# Altium PCB C210.PcbDoc (part 2 of 8) (continued)
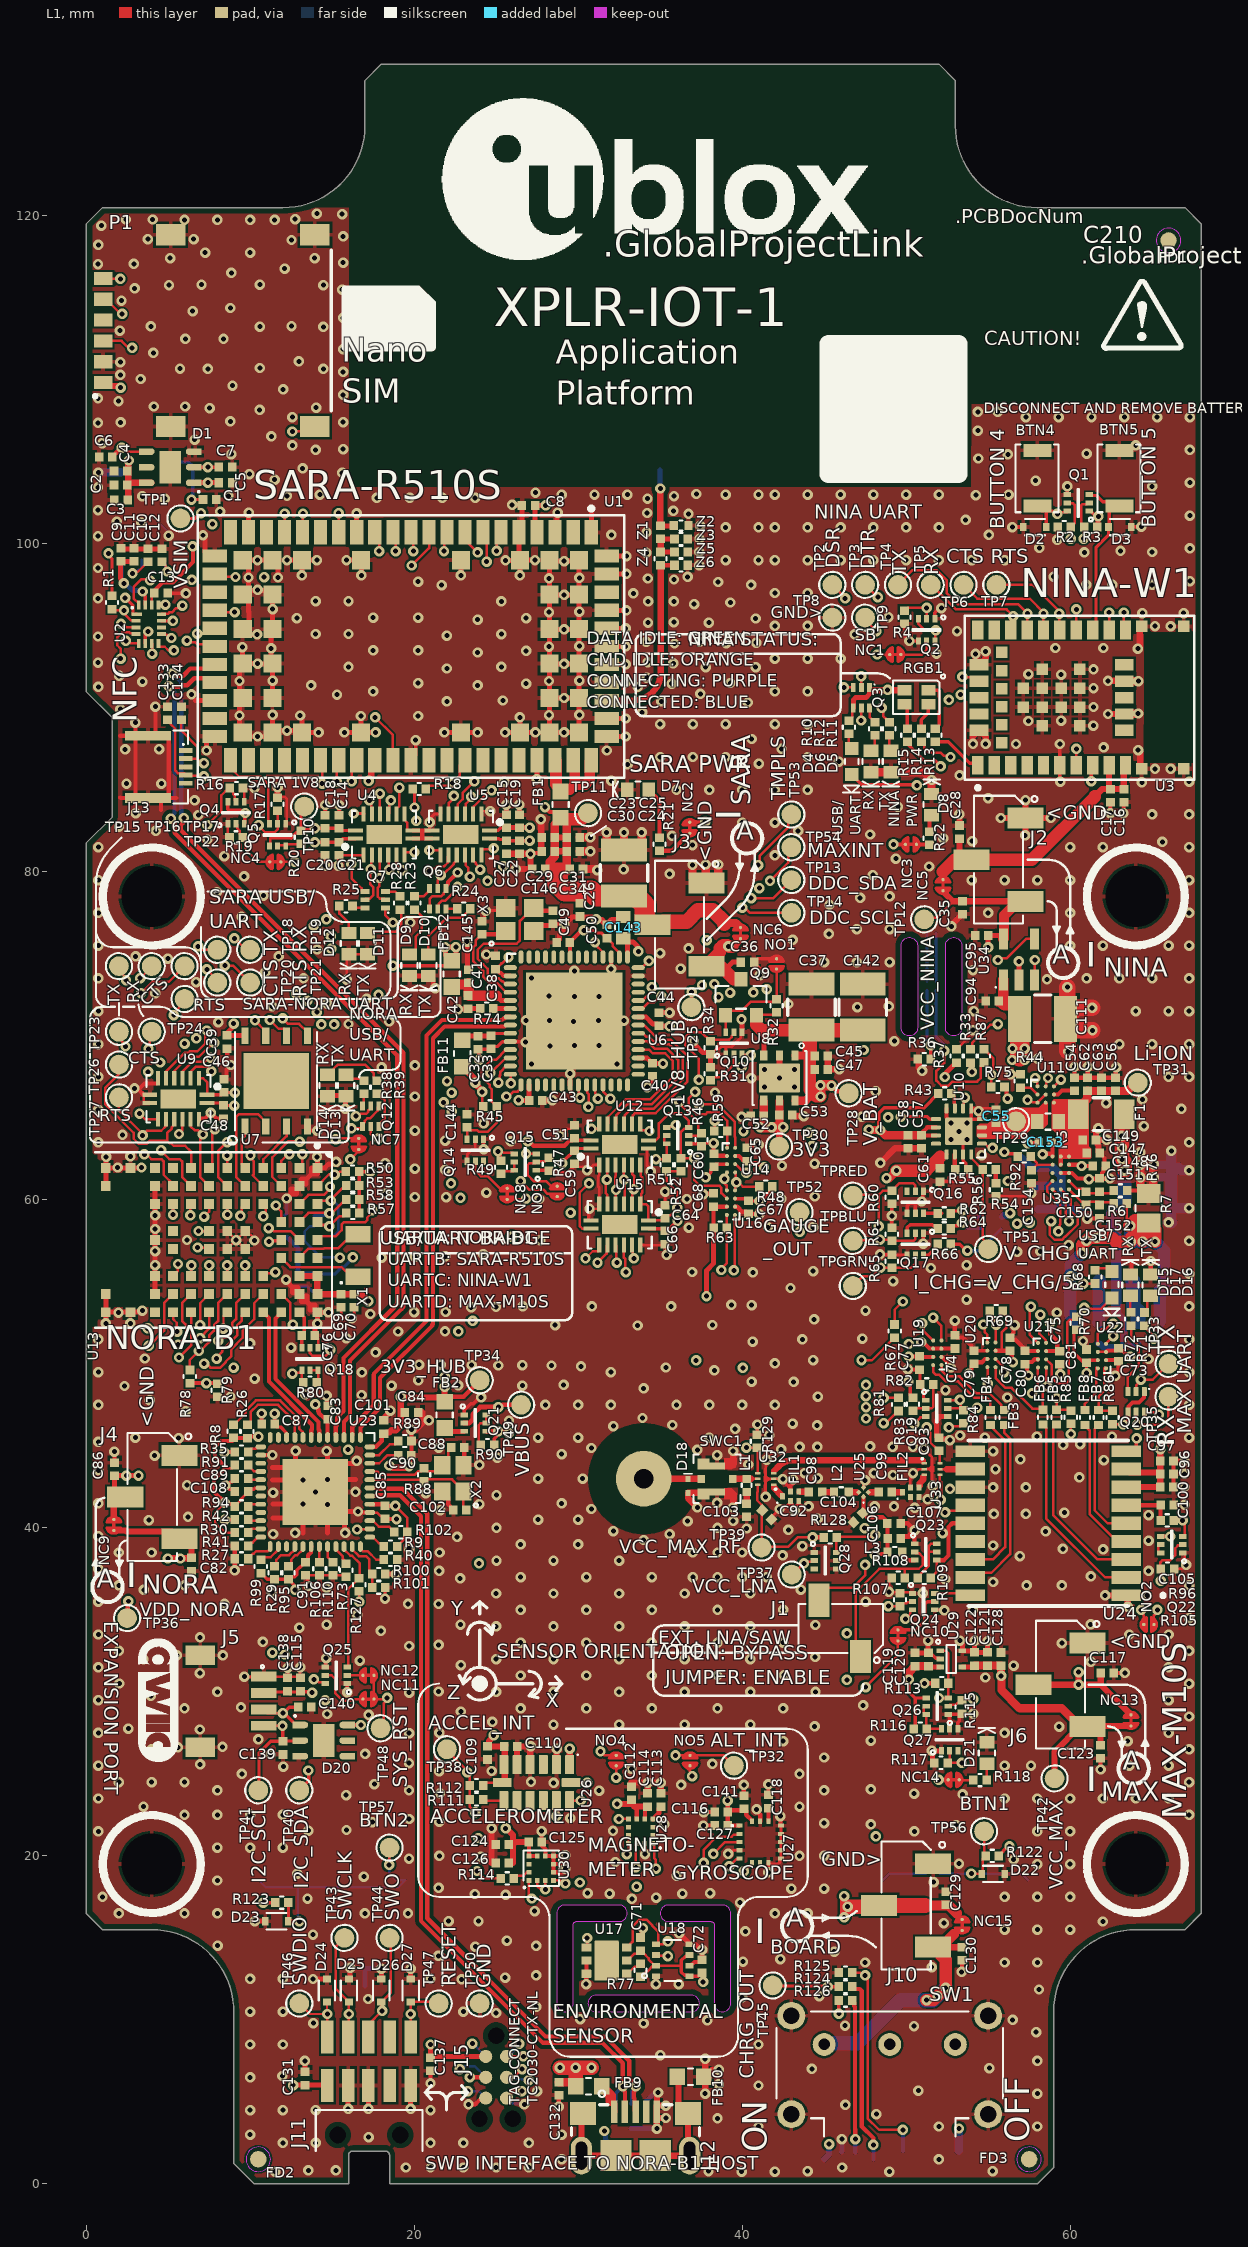
[diagram p0: L1 view]
## Part data (continued)
J4: "Header, 0.100\" Pitch, 3 Pin, Vertical SMT, Black", Manufacturer 1="Harwin Inc", Manufacturer 2="Greenconn Corporation", Manufacturer 3="Amphenol ICC (FCI)", Manufacturer Part Number 1=M20-8770342, Manufacturer Part Number 2=GPHC1010302A081B1BD, Manufacturer Part Number 3=10129380-903001BLF, Max Operating Temp=None, Part Name="CON HDR 0.1\" 3 Pin 1 Row SMT", Supplier Part Number 1=952-1951-ND, Diameter=None, Height=9.93mm, Item Phase="In Production", Min Operating Temp=None, Part Number=130-00105, Pins=3, Revision=0C, Supplier 1=Digi-Key, Supplier 2="Teamwise Limited", Supplier Part Number 2="Greenconn Corporation GPHC1010302A081B1BD", UBX Code=None, Use in new designs=Yes, Voltage=None
J5: "Conn, Header, SMD, 1mm Pitch, 4 Pin, R/A, White", Manufacturer 1="JST Sales America Inc.", Manufacturer 2=None, Part Name="CONN HEADER SMD R/A 4POS 1MM", Diameter=None, Height=2.9mm, Item Phase="In Production", Manufacturer Part Number 1=SM04B-SRSS-TB(LF)(SN), Manufacturer Part Number 2=None, Max Operating Temp=None, Min Operating Temp=None, Part Number=SM04B-SRSS-TB(LF)(SN), Pins=4, Revision=0A, Supplier 1=None, Supplier 2=None, Supplier Part Number 1=None, Supplier Part Number 2=None, UBX Code=None, Use in new designs=Yes, Voltage=None
J11: "Header 0.05\" 10Pin 2Row SMD, RA, Black", Color=Black, Manufacturer 1=Samtec, Manufacturer 2="Amphenol ICC (FCI)", Manufacturer Part Number 1=FTSH-105-01-F-DH-A-C, Manufacturer Part Number 2=20021122-00010T4LF, Part Name="CON HDR 0.05\" 10Pin 2Row RA SMD Black", Supplier Part Number 1=SAM13925TR-ND, Component Mounting Type=SMT, Connector Type=Header, Height=3.96mm, Item_Phase=Pre-Production, Keyed=Yes, Length=12.75mm, Locking=No, Part Number="FTSH-105-01-F-DH-A-C - JTAG", Part_Type=Connector, Pin Pitch="0.050\"", Pins=10, Revision=1, Rows=2, Supplier 1=Digi-Key, Use in new designs=Yes, Width=6.35
J12: "USB Micro B Receptacle, Right Angle SMT with 2 TH Tabs, 0.65mm", Color=Silver, Manufacturer=FCI, Manufacturer 2="Seeed Technology", Manufacturer P/N=10118193-0001LF, Manufacturer P/N 2="Rigado 130-00008", Part Name="CON USB Micro-B SMT RA 2 Tabs", Supplier Part Number 1=609-4616-1-ND, Arena Link=https://app.bom.com/a/O6PX3ATATCBTBM9U?v=spec.summary, Component Mounting Type=SMT, Connector Type=USB, Height=3.10mm, Item_Phase=Production, Keyed=Yes, Length=5.05mm, Locking=No, Part Number=130-00008, Part_Type=Connector, Pin Pitch=0.65mm, Pins=5, Revision=0B, Rows=1, Supplier 1=Digi-Key, Supplier 2="Seeed Technology", Supplier Part Number 2="Rigado 130-00008", Use in new designs=Yes, Width=7.86mm
J13: library part CON-5Pin_1Row-046284005001846, "CON FFC/FPC 0.50mm 5Pos R/A, 046284005001846", Color=White, Manufacturer 1="KYOCERA AVX", Manufacturer P/N=046284005001846, Part Name="CON FFC/FPC 0.50mm 5Pos R/A", Voltage=50V, Component Mounting Type=SMT, Connector Type=FPC, Height=1.3mm, Item_Phase=Preliminary, Keyed=No, Length=4.05mm, Locking=No, Manufacturer Part Number 1=046284005001846, Part_Type=Connector, Pin Pitch=0.5mm, Pins=5, Rows=1, Use in new designs=Yes, Width=4.4mm
J14: "Conn, SMT, 0.079\" Pitch, 2 Pin, R/A, Black", Manufacturer 2=None, Diameter=None, Height=5.5mm, Item Phase="In Production", Manufacturer Part Number 1=S2B-PH-SM4-TB, Manufacturer Part Number 2=None, Max Operating Temp=None, Min Operating Temp=None, Part Name="Conn, SMT, 0.079\" Pitch, 2 Pin, R/A, Black", Part Number=S2B-PH-SM4-TB, Pins=2, Revision=0A, Supplier 1=None, Supplier 2=None, Supplier Part Number 1=None, Supplier Part Number 2=None, UBX Code=None, Use in new designs=Yes, Voltage=None
J15 J17: library part CON-6Pin_2Row_ALT, "CON PADS FOR CBL PLUG-OF-NAILS 6-PIN NO LEGS", Manufacturer="TAG Connect", Manufacturer P/N=TC2030-IDC-NL, Added By=emoo, Added Date=12/3/2015, DNP=DNP, Height=0, Part Number=TC2030-IDC-NL, Size="3.81mm x 7.62mm"
L1: library part 150-00028, "Inductor, 12nH, 300mA, 0402", Current=300mA, Manufacturer 1="Johanson Technology Inc.", Manufacturer 2=None, Manufacturer Part Number 1=L-07C12NJV6T, Max Operating Temp=125, Min Operating Temp=-55, Part Name="IND 12nH 250mA 0402", Supplier Part Number 1=712-1453-1-ND, Tolerance="+/- 5%", Voltage=N/A, Body Size=None, Height=0.6mm, Isat=None, Item Phase=Unreleased, Manufacturer Part Number 2=None, Part Number=150-00028, Pins=2, Revision=None, Size=0402, Supplier 1=Digi-Key, Supplier 2=None, Supplier Part Number 2=None, UBX Code=None, Use in new designs=Yes
L2 L3 Z2: library part 150-00010, "INDUCTOR 10NH 300MA 0402", Current=None, Manufacturer 1="Murata Electronics North America", Manufacturer Part Number 1=LQG15HS10NJ02D, Max Operating Temp=125, Min Operating Temp=-55, Supplier Part Number 1=490-2623-1-ND, Tolerance="+/- 5%", Body Size=None, Height=0.55mm, Isat=300mA, Item Phase="In Production", Manufacturer 2=None, Manufacturer Part Number 2=None, Part Name="INDUCTOR 10NH 300MA 0402", Part Number=150-00010, Pins=2, Revision=0A, Size=0402, Supplier 1=Digi-Key, Supplier 2=None, Supplier Part Number 2=None, UBX Code=None, Use in new designs=Yes, Voltage=None
NC1 NC2 NC3 NC4 NC5 NC6 NC7 NC8 NC9 NC10 NC11 NC12 NC13 NC14 NC15: library part Solderbridge-Short, "Solderbridge-Short", Added By="Paul B", Added Date=12/2/2015, DNP=DNP, Height=0, Part Number=Solderbridge-Short
NO1 NO2 NO3 NO4 NO5: library part Solderbridge-Open, "Solderbridge-Open", Added By="Paul B", Added Date=12/2/2015, DNP=DNP, Height=0, Part Number=Solderbridge-Open
P1: "NANO SIM SOCKET, SWITCH, SMT, HINGED, 13mmX14mm", Current=1A, Manufacturer 1="Amphenol ICC", Max Operating Temp=85, MFG Package=Custom, Min Operating Temp=-40, Voltage=5V, Body Size="13mm x 14mm", Height=1.4mm, Item Phase="In Production", Manufacturer Part Number 1=G85D1160022HHR, Part Name=G85D1160022HHR, Part Number=G85D1160022HHR, Pins=11, Revision=0A, UBX Code=None, Use in new designs=Yes
Q1 Q2 Q4 Q10 Q13 Q14 Q16 Q17 Q19 Q24 Q25: "MOSFET 2N-CH 20V 0.8A, SOT-563", Current=800mA, Manufacturer 1="Toshiba Semiconductor and Storage", Manufacturer 2=None, Manufacturer Part Number 1=SSM6N56FE,LM, Max Operating Temp=150, MFG Package=SOT-563, Min Operating Temp=-55, Part Name="MOSFET 2N-CH 20V 0.8A SOT-563", Supplier Part Number 1=SSM6N56FELMCT-ND, Voltage=20V, Body Size="1.6mm x 1.2mm", Height=0.6mm, Item Phase="In Production", Manufacturer Part Number 2=None, Part Number=140-00016, Pins=6, Revision=0A, Supplier 1=Digi-Key, Supplier 2=None, Supplier Part Number 2=None, Thermal Pad=No, Transistor Type=N-Channel, UBX Code=None, Use in new designs=Yes
Q3 Q6 Q7 Q12 Q20: "MOSFET DUAL P-CH 20V SOT-563, -350mA", Current=-350mA, Manufacturer 1="ON Semiconductor", Manufacturer 2="Diodes, Inc.", Manufacturer Part Number 2=DMP2004VK-7, Max Operating Temp=150, MFG Package=SOT-563, Min Operating Temp=-55, Part Name="MOSFET DUAL P-CH 20V SOT-563", Supplier Part Number 1=2156-FDY2000PZ-ND, Voltage=20V, Body Size=1.6mmx1.6mm, Height=0.6mm, Item Phase="In Production", Manufacturer Part Number 1=FDY2000PZ, Part Number=FDY2000PZ, Pins=6, Revision=0A, Supplier 1=Digi-Key, Supplier 2=None, Supplier Part Number 2=None, Thermal Pad=No, Transistor Type=Multiple, UBX Code=None, Use in new designs=Yes
Q5 Q15 Q18 Q21 Q22 Q23 Q26 Q27 Q28: "MOSFET N/P-CH 20V SOT-563, 540 mA, −430 mA", Current="540 mA, −430 mA", Manufacturer 1="ON Semiconductor", Manufacturer 2=None, Manufacturer Part Number 1=NTZD3155CT2G, Max Operating Temp=150, MFG Package=SOT-563, Min Operating Temp=-55, Part Name="MOSFET N/P-CH 20V SOT-563", Supplier Part Number 1=NTZD3155CT2GOSCT-ND, Voltage=20V, Body Size=1.6mmx1.6mm, Height=0.6mm, Item Phase="In Production", Manufacturer Part Number 2=None, Part Number=140-00030, Pins=6, Revision=0A, Supplier 1=Digi-Key, Supplier 2=None, Supplier Part Number 2=None, Thermal Pad=No, Transistor Type=Multiple, UBX Code=None, Use in new designs=Yes
Q9: "P-MOSFET, 20V 3.1A, SOT-23", Current=3.1A, Manufacturer 1="Vishay Siliconix", Manufacturer 2=None, Manufacturer Part Number 1=SI2301CDS-T1-GE3, Max Operating Temp=150, MFG Package=SOT23, Min Operating Temp=-55, Part Name=Si2301CDS, Supplier Part Number 1=SI2301CDS-T1-GE3CT-ND, Voltage=20V, Body Size=None, Height=None, Item Phase="In Production", Manufacturer Part Number 2=None, Part Number=140-00008, Pins=3, Revision=0B, Supplier 1=Digi-Key, Supplier 2=None, Supplier Part Number 2=None, Thermal Pad=None, Transistor Type=P-Channel, UBX Code=None, Use in new designs=Yes
R1 R8 R26 R36 R44 R55 R67 R77: library part 180-00024, "Resistor 10k ohm 1% 1/16W, 0402", Manufacturer 1="Samsung Electro-Mechanics America, Inc", Manufacturer 2="Hong Kong Resistors Manufactory", Manufacturer Part Number 1=RC1005F103CS, Manufacturer Part Number 2=RCT0210KFLF, Max Operating Temp=155, Min Operating Temp=-55, Part Name="RES SMD 10K OHM 1% 1/16W 0402", Power=1/16W, Supplier Part Number 1=1276-3431-1-ND, Tolerance="+/- 1%", Voltage=N/A, Height=0.4mm, Item Phase="In Production", Part Number=180-00024, Pins=2, Revision=0E, Size=0402, Supplier 1=Digi-Key, Supplier 2=None, Supplier Part Number 2=None, UBX Code=None, Use in new designs=Yes
R2 R3 R4 R16 R17 R19 R20 R31 R32 R33 R34 R37 R43 R46 R47 R49 R51 R52 R60 R61 R65 R70 R75 R79 R80 R82 R84 R85 R88 R90 R105 R108 R109 R113 R115 R116 R117 R122 R123 R125 R128 R129: library part 180-00054, "Resistor 1M ohm 1%, 1/16W, 0402", Manufacturer 1="Samsung Electro-Mechanics America, Inc", Manufacturer 2="Hong Kong Resistors Manufactory", Manufacturer Part Number 1=RC1005F105CS, Manufacturer Part Number 2=RCT021MFLF, Max Operating Temp=155, Min Operating Temp=-55, Part Name="RES SMD 1M OHM 1% 1/16W 0402", Power=1/16W, Supplier Part Number 1=1276-3433-1-ND, Tolerance="+/- 1%", Voltage=None, Height=0.4mm, Item Phase="In Production", Part Number=180-00054, Pins=2, Revision=0D, Size=0402, Supplier 1=Digi-Key, Supplier 2=None, Supplier Part Number 2=None, UBX Code=None, Use in new designs=Yes
R5 R200 R201 R202 R203: library part 180-00012, "Resistor 0 ohm Jumper, 1/10W, 0603", Manufacturer 1="Hong Kong Resistors Manufactory", Manufacturer 2="Samsung Electro-Mechanics America, Inc", Manufacturer Part Number 1=RCT030RLF, Manufacturer Part Number 2=RC1608J000CS, Max Operating Temp=155, Min Operating Temp=-55, Part Name="RES SMD 0.0 OHM JUMPER 1/10W 0603", Power=1/10W, Supplier Part Number 1=None, Height=0.55mm, Item Phase="In Production", Part Number=180-00012, Pins=2, Revision=0D, Size=0603, Supplier 1=None, Supplier 2=Digi-Key, Supplier Part Number 2=1276-3510-1-ND, Tolerance=None, UBX Code=None, Use in new designs=Yes, Voltage=None
R6 R12 R23 R25 R39 R72 R76: library part 180-00051, "Resistor, 100ohm, 1%, 1/16W, 0402.", Manufacturer 1="Hong Kong Resistors Manufactory", Manufacturer 2="Stackpole Electronics Inc.", Manufacturer Part Number 1=RCT02100RFLF, Manufacturer Part Number 2=RMCF0402FT100R, Max Operating Temp=155, Min Operating Temp=-55, Part Name="RES SMD 100 OHM 1% 1/16W 0402", Power=1/16W, Supplier Part Number 1=None, Tolerance="+/- 1%", Height=0.4mm, Item Phase="In Production", Part Number=180-00051, Pins=2, Revision=0E, Size=0402, Supplier 1=None, Supplier 2=Digi-Key, Supplier Part Number 2=RMCF0402FT100RCT-ND, UBX Code=None, Use in new designs=Yes, Voltage=None
R7: library part 180-00150, "Resistor, 0.01 ohm 1% 1/2W, 0805", Manufacturer 1="Stackpole Electronics Inc", Manufacturer 2=Susumu, Manufacturer Part Number 1=CSS0805FT10L0, Manufacturer Part Number 2=KRL1220E-M-R010-F-T5, Max Operating Temp=125, Min Operating Temp=-55, Part Name="RES SMD 0.01 OHM 1% 1/2W 0805", Power=1/2W, Tolerance="+/- 1%", Voltage=None, Height=0.75mm, Item Phase=Unreleased, Pins=2, Revision=None, Size=0805, UBX Code=None, Use in new designs=Yes
R9 R18 R27 R29 R30 R35 R40 R41 R42 R45 R48 R50 R57 R59 R63 R69 R73 R78 R86 R91 R94 R95 R99 R100 R101 R102 R106 R107 R110 R112 R127: library part 180-00093, "Resistor 100K ohm 1% 1/16W, 0402", Manufacturer 1=Yageo, Manufacturer 2="Rohm Semiconductor", Manufacturer Part Number 1=RC0402FR-07100KL, Manufacturer Part Number 2=MCR01MRTF1003, Max Operating Temp=155, Min Operating Temp=-55, Part Name="RES SMD 100K ohm 1% 1/16W 0402", Power=1/16W, Supplier Part Number 1=311-100KLRCT-ND, Tolerance="+/- 1%", Voltage=None, Height=0.4mm, Item Phase="In Production", Part Number=180-00093, Pins=2, Revision=0B, Size=0402, Supplier 1=Digi-Key, Supplier 2=Digi-Key, Supplier Part Number 2=RHM100KCDCT-ND, UBX Code=None, Use in new designs=Yes
R10 R13 R14 R15 R62 R64 R66 R68 R124: library part 180-00031, "Resistor, 499ohm, 1%, 1/16W, 0402", Manufacturer="Rohm Semiconductor", Manufacturer 2="Samsung Electro-Mechanics America, Inc", Manufacturer P/N=MCR01MRTF4990, Manufacturer P/N 2=RC1005F4990CS, Part Name="RES SMD 499 OHM 1% 1/16W 0402", Power=1/16W, Supplier Part Number 1=RHM499CDCT-ND, Tolerance="+/- 1%", Alternate Footprint Ref="RES 0402", Arena Link=https://app.bom.com/a/Q8RZ5CVCVEDU1SS5?v=spec.summary, Component Mounting Type=SMT, Height=0.4mm, Item_Phase=Production, Part Number=180-00031, Part_Type=Resistor, Pins=2, Revision=0D, Size=0402, Supplier 1=Digi-Key, Supplier 2=Digi-Key, Supplier Part Number 2=1276-3992-1-ND, Use in new designs=Yes
R11 R21 R22 R24 R28 R38 R71 R118 R126: library part 180-00098, "Resistor, 220ohm, 5%, 1/16W, 0402.", Manufacturer="Panasonic Electronic Components", Manufacturer 2="Samsung Electro-Mechanics America, Inc", Manufacturer P/N=ERJ-2GEJ221X, Manufacturer P/N 2=RC1005J221CS, Part Name="RES SMD 220 OHM 5% 1/16W 0402", Power=1/16W, Supplier Part Number 1=P220JCT-ND, Tolerance="+/- 5%", Alternate Footprint Ref="RES 0402", Arena Link=https://app.bom.com/a/8Q9HNUDUDWVBJC30?v=spec.summary, Component Mounting Type=SMT, Height=0.4mm, Item_Phase=Production, Part Number=180-00098, Part_Type=Resistor, Pins=2, Revision=0C, Size=0402, Supplier 1=Digi-Key, Supplier 2=Digi-Key, Supplier Part Number 2=1276-4360-1-ND, Use in new designs=Yes
R53 R58: library part 180-00023, "Resistor, 2.2Kohm, 1%, 1/16W, 0402", Manufacturer 1="Rohm Semiconductor", Manufacturer 2=Yageo, Manufacturer Part Number 1=MCR01MRTF2201, Manufacturer Part Number 2=RC0402FR-072K2L, Max Operating Temp=155, Min Operating Temp=-55, Part Name="RES SMD 2.2K OHM 1% 1/16W 0402", Power=1/16W, Supplier Part Number 1=RHM2.20KCDCT-ND, Tolerance="+/- 1%", Voltage=None, Height=0.4mm, Item Phase="In Production", Part Number=180-00023, Pins=2, Revision=0A, Size=0402, Supplier 1=Digi-Key, Supplier 2=Digi-Key, Supplier Part Number 2=311-2.20KLRCT-ND, UBX Code=None, Use in new designs=Yes
R54 R56 R81 R83 R92 R96: library part 180-00021, "Resistor 1k ohm 1% 1/16W, 0402", Manufacturer 1="Hong Kong Resistors Manufactory", Manufacturer 2=Yageo, Manufacturer Part Number 1=RCT021KFLF, Manufacturer Part Number 2=RC0402FR-071KL, Max Operating Temp=155, Min Operating Temp=-55, Part Name="RES SMD 1K OHM 1% 1/16W 0402", Power=1/16W, Supplier Part Number 1=None, Tolerance="+/- 1%", Height=0.4mm, Item Phase="In Production", Part Number=180-00021, Pins=2, Revision=0E, Size=0402, Supplier 1=None, Supplier 2=Digi-Key, Supplier Part Number 2=311-1.00KLRCT-ND, UBX Code=None, Use in new designs=Yes, Voltage=None
R74 R89: library part 180-00096, "Resistor 12k ohm 1% 1/16W 0402", Manufacturer 1=None, Manufacturer 2=Yageo, Manufacturer Part Number 2=RC0402FR-0712KL, Max Operating Temp=155, Min Operating Temp=-55, Part Name="RES SMD 12K OHM 1% 1/16W 0402", Power=1/16W, Supplier Part Number 1=1276-4122-1-ND, Tolerance="+/- 1%", Height=0.4mm, Item Phase="In Production", Manufacturer Part Number 1=None, Part Number=180-00096, Pins=2, Revision=0A, Size=0402, Supplier 1=Digi-Key, Supplier 2=Digi-Key, Supplier Part Number 2=311-12.0KLRCT-ND, UBX Code=None, Use in new designs=Yes, Voltage=None
R87: library part 180-00133, "Resistor, 18.2KOhm, 1%, 1/16W, 0402", Manufacturer 1="Stackpole Electronics Inc", Manufacturer 2="Bourns Inc.", Manufacturer Part Number 1=RMCF0402FT18K2, Manufacturer Part Number 2=CR0402-FX-1822GLF, Max Operating Temp=155, Min Operating Temp=-55, Part Name="RES SMD 18.2K Ohm 1% 1/16W 0402", Power=1/16W, Tolerance="+/- 1%", Voltage=None, Height=0.4mm, Item Phase="In Production", Pins=2, Revision=0C, Size=0402, UBX Code=None, Use in new designs=Yes
R111 R114 Z3 Z4 Z5 Z6: library part 180-00020, "Resistor 0 ohm 1/16W 0402", Manufacturer 1=Yageo, Manufacturer 2="Hong Kong Resistors Manufactory", Manufacturer Part Number 1=RC0402FR-070RL, Manufacturer Part Number 2=RCT020RLF, Max Operating Temp=155, Min Operating Temp=-55, Part Name="RES SMD 0.0 OHM JUMPER 1/16W 0402", Power=1/16W, Supplier Part Number 1=311-0.0LRCT-ND, Tolerance=None, Voltage=N/A, Height=0.40mm, Item Phase="In Production", Part Number=180-00020, Pins=2, Revision=0E, Size=0402, Supplier 1=Digi-Key, Supplier 2=None, Supplier Part Number 2=None, UBX Code=None, Use in new designs=Yes
RGB1 RGB2: "LED RGB SMT 0606", Current=20mA, Manufacturer 1="Lite-On Inc", Manufacturer 2="QT Brightek (QTB)", Manufacturer Part Number 1=LTST-C19HE1WT, Manufacturer Part Number 2=QBLP600-RGB, Max Operating Temp=80, MFG Package=0606, Min Operating Temp=-20, Supplier Part Number 1=160-2162-1-ND, Voltage=None, Body Size="1.6mm x 1.6mm", Height=0.35mm, Item Phase="In Production", Part Name="LED RGB SMT 0606", Part Number=115-00026, Pins=4, Revision=0B, Size=Other, Supplier 1=Digi-Key, Supplier 2=Digi-Key, Supplier Part Number 2=1516-1184-1-ND, UBX Code=None, Use in new designs=Yes
RT1 RT2: library part 182-00002, "Thermistor, 10Kohm, NTC 5%, 0201, 0.6mm x 0.3mm", Manufacturer 1="Murata Electronics North America", Manufacturer Part Number 1=NCP03XH103J05RL, Max Operating Temp=125, Min Operating Temp=-40, Part Name="Thermistor 10k Ohm 5% 3380K 0201", Power=1/20W, Supplier Part Number 1=490-4644-1-ND, Tolerance="+/- 5%", Voltage=None, Body Size="0.6mm x 0.3mm", Height=0.26mm, Item Phase=Unreleased, Part Number=182-00002, Pins=2, Revision=None, Size=0201, Supplier 1=Digi-Key, UBX Code=None, Use in new designs=Yes
STD1 STD2 STD3 STD4: "Standoff, SMT, 2mm, Unthreaded, 2.7mm ID, 5.1mm OD, Steel, Plated", Manufacturer 1="Würth Elektronik", Manufacturer 2=None, Part Name="SMT STD 2mm", Diameter=None, Height=2mm, Item Phase="In Production", Manufacturer Part Number 1=9774020951R, Manufacturer Part Number 2=None, Max Operating Temp=None, Min Operating Temp=None, Part Number=9774020951R, Pins=1, Revision=0A, Supplier 1=None, Supplier 2=None, Supplier Part Number 1=None, Supplier Part Number 2=None, UBX Code=None, Use in new designs=Yes, Voltage=None
SW1: "Slide switch, SPDT, 3 Pin, 500mA, 15V, Through Hole", Current=500mA, Manufacturer 1=E-Switch, Manufacturer 2=None, Manufacturer Part Number 1=EG1224, Max Operating Temp=70, Min Operating Temp=-20, Part Name="Switch Slide SPDT 500mA 13.8mm RA TH", Supplier Part Number 1=EG2585-ND, Voltage=15V, Height=8.5mm, Item Phase=Unreleased, Manufacturer Part Number 2=None, Part Number=137-00002, Pins=3, Revision=None, Supplier 1=Digi-Key, Supplier 2=None, Supplier Part Number 2=None, UBX Code=None, Use in new designs=Yes
SWC1: "Conn, Coax, Test, Switch, 50Ohm, SMT, 2.5mmX2.4mm", Manufacturer 1=Hirose, Manufacturer 2=None, Part Name="CON HDR 0.1\" 3 Pin 1 Row SMT R/A", Diameter=None, Height=3.05mm, Item Phase="In Production", Manufacturer Part Number 1=MS-156C3, Manufacturer Part Number 2=None, Max Operating Temp=None, Min Operating Temp=None, Part Number=MS-156C3, Pins=3, Revision=0A, Supplier 1=None, Supplier 2=None, Supplier Part Number 1=None, Supplier Part Number 2=None, UBX Code=None, Use in new designs=Yes, Voltage=None
TP1 TP2 TP3 TP4 TP5 TP6 TP7 TP8 TP9 TP10 TP11 TP12 TP13 TP14 TP15 TP16 TP17 TP18 TP19 TP20 TP21 TP22 TP23 TP24 TP25 TP26 TP27 TP28 TP29 TP30 TP31 TP32 TP33 TP34 TP35 TP36 TP37 TP38 TP39 TP40 TP41 TP42 TP43 TP44 TP45 TP46 TP47 TP48 TP49 TP50 TP51 TP52 TP53 TP54 TP56 TP57 TPBLU TPGRN TPRED: library part TP_R, "Testpoint, Round 1.0mm Dia", Part Number=TP10R, Added By="Jeremy D", Added Date=2/1/2015, Checked By="Paul B", Checked Date=2/5/2015, DNP=DNP, Height=0, Size=1.0mm
U1: "GSM/GPRS and GSM/EGPRS/HSPA Cellular Module", Manufacturer=u-blox, Manufacturer Part Number 1=SARA-R510S-01B-00, Manufacturer 1=u-blox, Part Description="GSM/EGPRS/HSPA module"
U2: "IC, ANLG SWITCH, 4PDT, SIM OPTIMIZED, 1.4V-4.3V, SMT, XQFN-16, 2.6mmX1.8mm", Current=None, Manufacturer 1="NXP USA Inc.", Manufacturer Part Number 1=NX3DV2567GU,115, Max Operating Temp=85, MFG Package=XQFN-16, Min Operating Temp=-40, Voltage=1.4V-4.3V, Body Size="2.6mm x 1.8mm", Height=1mm, Item Phase="In Production", Part Name=NX3DV2567GU,115, Part Number=NX3DV2567, Pins=16, Revision=0A, UBX Code=None, Use in new designs=Yes
U3: "u-blox NINA-W156 WiFi, Bluetooth dual-mode module", Manufacturer=u-blox, Manufacturer Part Number 1=NINA-W156-03B-00, Manufacturer 1=u-blox, Part Description="Stand-alone Bluetooth low energy module"
U4 U5 U9 U12 U15: "Voltage Level Translator Bidirectional 1 Circuit 4 Channel 380Mbps 16-DHVQFN (2.5x3.5)", Manufacturer 1="NXP Semiconductors", Manufacturer 2="ON Semiconductor", Manufacturer Part Number 1=74AVC4TD245BQ,115, Manufacturer Part Number 2=FXL4TD245BQX, Max Operating Temp=125, MFG Package=16-DHVQFN, Min Operating Temp=-40, Part Name="TXRX XLATING BIDIR 4CH 16-DHVQFN", Supplier Part Number 1=568-9220-1-ND, Voltage=3.6V, Body Size="2.5mm x 3.5mm", Height=1mm, Item Phase="In Production", Logic Type="Level Translator", Part Number=225-00011, Pins=16, Revision=0B, SMT Pitch=0.5mm, Supplier 1=Digi-Key, Supplier 2=Digi-Key, Supplier Part Number 2=FXL4TD245BQXCT-ND, Thermal Pad=Yes, UBX Code=None, Use in new designs=Yes
U6: library part FT4232H, "IC, SMT, UART/SERIAL BRIDGE, QUAD, USB 2.0, FULL HANDSHAKE, 12MBps, 2.97-3.63V, 8mmx8mm QFN56", Manufacturer 1=FTDI, Manufacturer 2=None, Max Operating Temp=85, MFG Package=QFN-56, Min Operating Temp=-40, Voltage=2.97-3.63V, Body Size="8.0mm x 8.0mm", Height=0.9mm, Item Phase=Unreleased, Manufacturer Part Number 1=FT4232H, Manufacturer Part Number 2=None, Pins=56, Revision=None, Size=Other, SMT Pitch=0.5mm, Supplier 2=None, Supplier Part Number 2=None, UBX Code=None, Use in new designs=Yes
U7: "64Mbit QSPI NOR Flash", Manufacturer 1=Macronix, Manufacturer 2=None, Manufacturer Part Number 1=MX25R6435FZNIL0, Max Operating Temp=85, MFG Package="8-WDFN Exposed Pad", Min Operating Temp=-40, Part Name="IC Flash 64MBIT 80MHz 8WSON", Supplier Part Number 1=1092-1201-ND, Voltage=3.6V, Body Size="6mm x 5mm", Height=0.8mm, Interface=SPI, Item Phase="In Production", Manufacturer Part Number 2=None, Memory Size=64Mbit, Memory Speed=80MHZ, Memory Type="Flash - NOR", Part Number=240-00033, Pins=8, Revision=0A, SMT Pitch=1.27mm, Supplier 1=Digi-Key, Supplier 2=None, Supplier Part Number 2=None, Thermal Pad=Yes, UBX Code=None, Use in new designs=Yes
U8: "IC REG LDO 3.3V 1A 6DFN", Current=1A, Manufacturer 1="ON Semiconductor", Manufacturer Part Number 1=NCP692MN33T2G, Manufacturer Part Number 2=NCV8690MN33T2G, Max Operating Temp=85, MFG Package="6-VDFN Exposed Pad", Min Operating Temp=-40, Supplier Part Number 1=NCP692MN33T2GOSTR-ND, Voltage=3.3V, Body Size="3mm x 3mm", Height=1mm, Item Phase=Unreleased, Manufacturer 2="ON Semiconductor", Part Name=NCP692MN33T2G, Part Number=260-00045, Pins=6, Reg Outputs=None, Revision=None, SMT Pitch=0.95mm, Supplier 1=Digi-Key, Supplier 2=None, Supplier Part Number 2=None, Thermal Pad=Yes, UBX Code=None, Use in new designs=Yes
U10: "BAT CHARGER, Li-ION, SMT, USB, PWR PATH, 500mA, 4.4V, 3mmx3mm QFN-16", Manufacturer 1="Texas Instruments", Manufacturer Part Number 1=BQ24230RGTR, Manufacturer Part Number 2=BQ24230RGTT, Max Operating Temp=85, MFG Package=VQFN-16, Min Operating Temp=-40, Supplier Part Number 1=296-23937-2-ND, Voltage=5-6.5V, Body Size="3.3mm x 3.3mm", Height=1mm, Item Phase=Unreleased, Manufacturer 2="Texas Instruments", Part Number=bq24230, Pins=16, Revision=None, Size=Other, SMT Pitch=0.5mm, Supplier 1=Digi-key, Supplier 2=None, Supplier Part Number 2=None, UBX Code=None, Use in new designs=Yes
U11: library part BQ27421, "IC, SMT, BATTERY GAUGE, INGLE CELL Li-ION, COULOMB COUNTER, DSBGA-9 1.6mmX1.6mm", Current=None, Manufacturer 1="Texas Instruments", Manufacturer Part Number 2=BQ27421YZFT-G1A, Max Operating Temp=85, MFG Package=QCS5P, Min Operating Temp=-40, Voltage=N/A, Body Size="1.4mm x 1.1mm", Height=0.45mm, Item Phase="In Production", Manufacturer 2="Texas Instruments", Manufacturer Part Number 1=BQ27421YZFR-G1A, Part Number=BQ27421YZFR-G1A, Pins=9, Revision=0A, UBX Code=None, Use in new designs=Yes
U13: "u-blox NORA-B106 Bluetooth 5.2 LE module - dual core", Manufacturer=u-blox, Manufacturer P/N=NORA-B106-00B, Body Size="14.3 mm x 10.4 mm", Height="1.8 mm", Part Description="Stand-alone Bluetooth low energy module - dual core", Part Name=NORA-B106, Part Number=NORA-B106, Part_Type=Module
U14 U16 U19 U20 U21 U22: "IC, SMT, LEVEL TRANSLATOR, DUAL, BIDIRECTIONAL, DSBGA-8 1.9mmX0.9mm", Current=None, Manufacturer 1="Texas Instruments", Manufacturer Part Number 1=TXS0102YZPT, Manufacturer Part Number 2=TXS0102YZPR, Max Operating Temp=85, MFG Package=DSBGA-8, Min Operating Temp=-40, Voltage=N/A, Body Size="1.9mm x 0.9mm", Height=0.65mm, Item Phase="In Production", Manufacturer 2="Texas Instruments", Part Name=TXS0102YZP, Part Number=TXS0102YZP, Pins=8, Revision=0A, UBX Code=None, Use in new designs=Yes
U17: "SENSOR, Humidity, I2C, SMT, DFN-6 2.5mmX2.5mm", Current=None, Manufacturer 1="TE Connectivity", Max Operating Temp=85, MFG Package=QCS5P, Min Operating Temp=-40, Part Name=B39162B4353P810, Voltage=N/A, Body Size="1.4mm x 1.1mm", Height=0.45mm, Item Phase="In Production", Manufacturer Part Number 1=HTU31, Part Number=HTU31, Pins=5, Revision=0A, UBX Code=None, Use in new designs=Yes
U18: "SENSOR PRESSURE HUMIDITY TEMP", Manufacturer="Bosch Sensortec", Manufacturer P/N=BME280, MFG Package=DFN-8, Package Type=DFN, Supplier Part Number 1=828-1063-1-ND, Voltage=3.6V, Accuracy=±3%, Arena Link=https://app.bom.com/a/ASBJPWFWFYX2LZ4C?v=spec.summary, Body Size="2.5mm x 2.5mm", Component Mounting Type=SMT, Controller Interface=I2C/SPI, Height=1mm, Item_Phase=Pre-Production, Part Name=BME280, Part Number=250-00039, Part_Type="Active Sensor", Pins=8, Revision=1, Sensor Range Max="1100 hPa", Sensor Range Min="300 hPa", Sensor Type=Humidity/Pressure, SMT Pitch=0.65mm, Supplier 1=Digi-Key, Use in new designs=Yes
U23: "4-PORT USB 2.0 HUB CTRLR, QFN-48, 7.0mmx7.0mm", Current=None, Manufacturer 1=SMSC, Max Operating Temp=70, MFG Package=QFN-48, Min Operating Temp=0, Voltage=N/A, Body Size="7.0mm x 7.0mm", Height=1.0mm, Item Phase="In Production", Manufacturer Part Number 1=USB2514-HZH, Part Name=USB2514-HZH, Part Number=USB2514-HZH, Pins=48, Revision=0A, UBX Code=None, Use in new designs=Yes
U24: library part MAX, "u-blox MAX GNSS module", Manufacturer=u-blox, Manufacturer Part Number 1=MAX-M10S-00B-00, Manufacturer 1=u-blox, Part Description="u-blox GNSS module"
U25: "LNA, SMT, GNSS, 1.1-3.6V, 1.1mA18dB, 0.75dB, BGA4", Current=None, Manufacturer 1="Infineon Technologies", Manufacturer Part Number 1=BGA123L4E6327XTSA1, Max Operating Temp=85, MFG Package=TSLP-4-11, Min Operating Temp=-40, Supplier Part Number 1=BGA123L4E6327XTSA1TR-ND, Voltage=1.1-3.6V, Body Size="0.7mm x 0.7mm", Height=0.35mm, Item Phase="In Production", Part Name=BGA123L4, Part Number=BGA123L4, Pins=4, Revision=0A, Supplier 1=Digi-Key, UBX Code=None, Use in new designs=Yes
U26: library part ADXL345, "SENSOR, ACCELEROMETER, 3-AXIS, I2C, SMT, +/-16g, LGA-14 3mmX5mm", Current=None, Manufacturer 1="Analog Devices", Manufacturer Part Number 2=ADXL345BCCZ-RL, Max Operating Temp=85, Min Operating Temp=-40, Voltage=N/A, Body Size="3.0mm x 5.0mm", Height=0.45mm, Item Phase="In Production", Manufacturer 2="Analog Devices", Manufacturer Part Number 1=ADXL345BCCZ, Part Number=ADXL345BCCZ, Pins=14, Revision=0A, UBX Code=None, Use in new designs=Yes
U27: "SENSOR, Gyroscope, I2C, 3-AXIS, 1.7-3.45V, SMT, LGA-16, 3mmX3mm", Current=None, Manufacturer 1="TDK InvenSense", Max Operating Temp=85, MFG Package=LGA-12, Min Operating Temp=-40, Part Name=LIS3MDL, Voltage=1.9-3.6V, Body Size="2mm x 2mm", Height=1mm, Item Phase="In Production", Manufacturer Part Number 1=ICG-20330, Part Number=ICG-20330, Pins=12, Revision=0A, UBX Code=None, Use in new designs=Yes